# KiCad board oresat-live-card.kicad_pcb (continued)
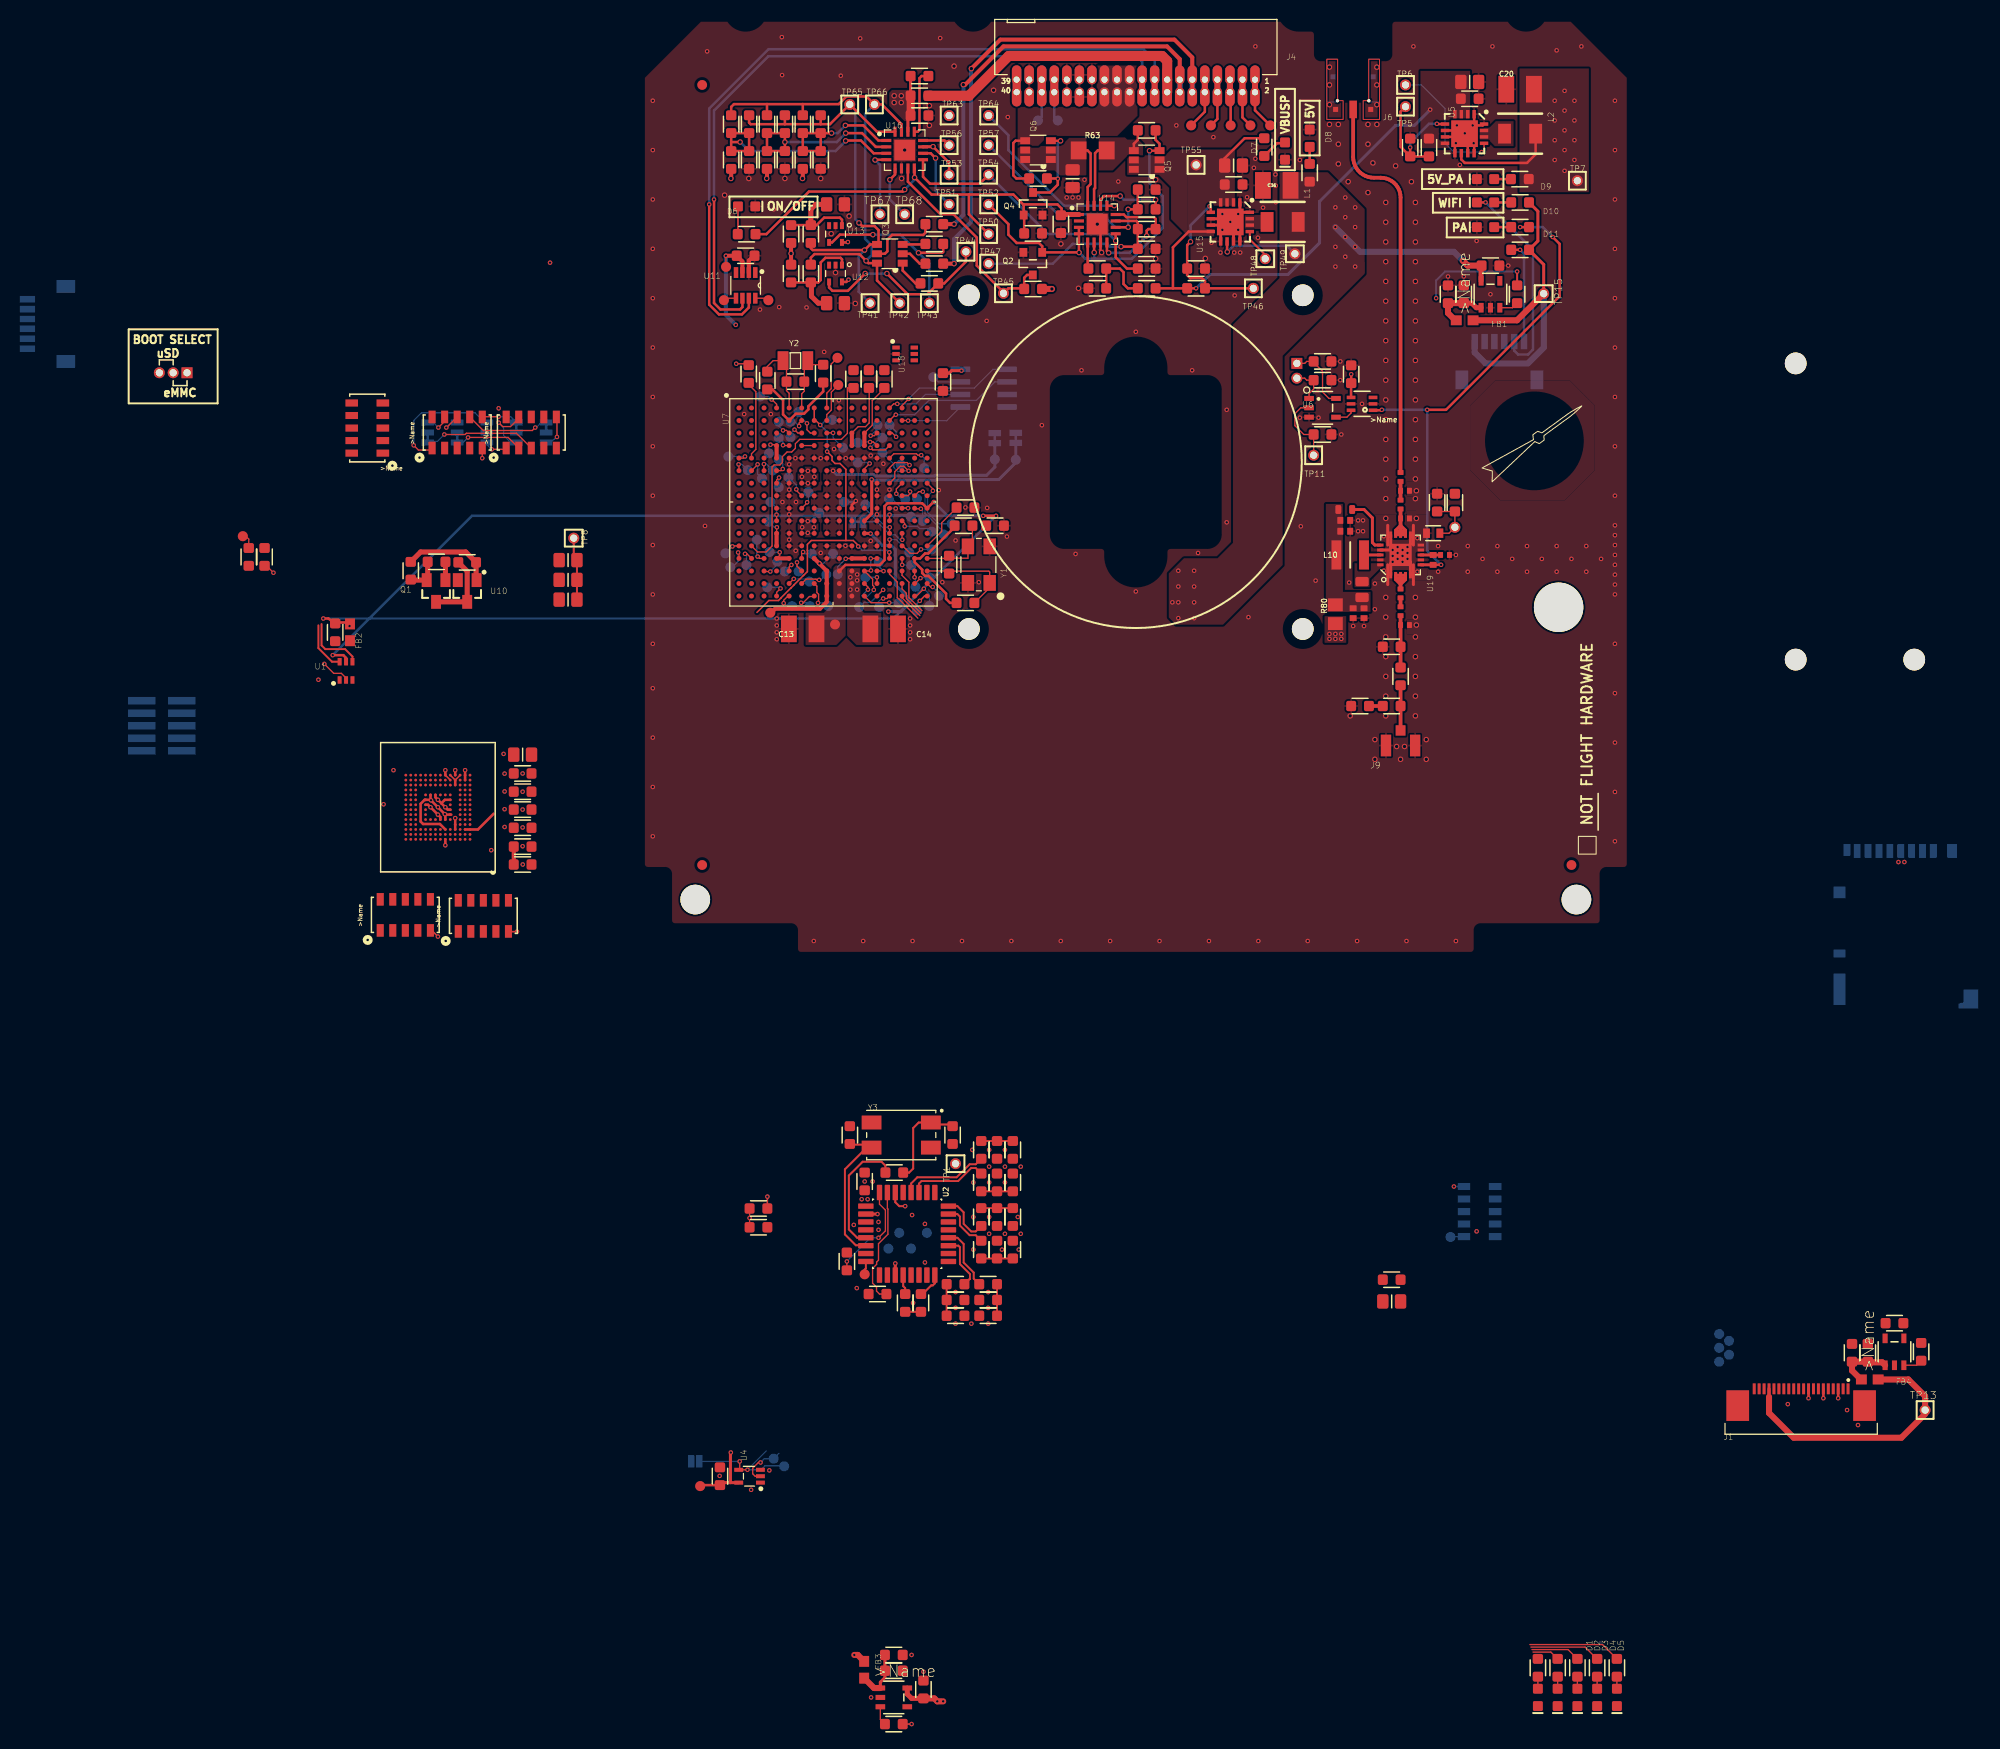
[diagram p0: board, top side]
## Placement (name value [footprint] x y rotation side) (continued)
R90  15k  [.0603-A]  35.85 -29.95 270 top
R91  22  [.0603-A]  34.25 -26.65 270 top
R92  15k  [.0603-A]  35.85 -26.65 90 top
R93  22  [.0603-A]  34.25 -23.15 90 top
R94  15k  [.0603-A]  35.85 -23.15 270 top
R95  22  [.0603-A]  34.25 -19.85 270 top
R96  15k  [.0603-A]  35.85 -19.85 90 top
R97  10k  [.0603-A]  26.55 -35.35 90 top
R98  1.5k  [.0603-A]  25.45 -22.15 0 top
R99  10k  [.0603-A]  28.15 -35.35 90 top
R100  15k  [.0603-A]  20.65 -31.15 270 top
R101  15k  [.0603-A]  23.75 -34.45 0 top
RT2  TDK NTCG163JX103DT1S  [0603-THERMISTOR-B]  80 42.6 180 top
TP1  TEST-POINT  [2MM-TEST-POINT]  31.65 -21.25 90 top
TP2  TEST-POINT3X4  [PAD.03X.04]  19.45 33.36 90 top
TP3  TEST-POINT3X4  [PAD.03X.04]  17.85 44.66 180 bottom
TP4  TEST-POINT3X4  [PAD.03X.04]  12.89 34.55 90 top
TP5  TEST-POINT  [2MM-TEST-POINT]  77.2 85.8 0 top
TP6  TEST-POINT  [2MM-TEST-POINT]  77.2 88 0 top
TP7  TEST-POINT  [2MM-TEST-POINT]  94.6 78.3 0 top
TP8  TEST-POINT  [2MM-TEST-POINT]  -7 42.1 270 top
TP9  TEST-POINT3X4  [PAD.03X.04]  20.35 45.76 180 bottom
TP10  TEST-POINT  [2MM-TEST-POINT]  82.2 43.2 180 bottom
TP11  TEST-POINT  [2MM-TEST-POINT]  67.9 50.5 0 top
TP12  TEST-POINT3X4  [PAD.03X.04]  29.25 40.96 180 bottom
TP13  TEST-POINT  [2MM-TEST-POINT]  129.8 -46.2 0 top
TP14  TEST-POINT3X4  [PAD.03X.04]  5.8 -53.9 90 top
TP15  TEST-POINT  [2MM-TEST-POINT]  91.19 66.86 270 top
TP16  TEST-POINT3X4  [PAD.03X.04]  22.45 -32.45 0 top
TP17  TEST-POINT3X4  [PAD.03X.04]  24.85 -29.85 180 bottom
TP18  TEST-POINT3X4  [PAD.03X.04]  28.75 -28.25 180 bottom
TP19  TEST-POINT3X4  [PAD.03X.04]  27.15 -29.85 180 bottom
TP20  TEST-POINT3X4  [PAD.03X.04]  25.95 -28.25 180 bottom
TP22  TEST-POINT3X4  [PAD.03X.04]  81.75 -28.68 270 bottom
TP25  TEST-POINT3X4  [PAD.03X.04]  8.42 69.57 0 top
TP30  TEST-POINT3X4  [PAD.03X.04]  11.87 56.44 180 bottom
TP31  TEST-POINT3X4  [PAD.03X.04]  -40.5 42.3 180 top
TP35  TEST-POINT3X4  [PAD.03X.04]  8.2 66.2 0 top
TP38  TEST-POINT3X4  [PAD.03X.04]  19.77 57.61 0 top
TP39  TEST-POINT3X4  [PAD.03X.04]  19.69 60.36 0 top
TP40  TEST-POINT3X4  [PAD.03X.04]  12.7 66.2 0 top
TP41  TEST-POINT  [2MM-TEST-POINT]  23 65.9 0 top
TP42  TEST-POINT  [2MM-TEST-POINT]  26 65.9 0 top
TP43  TEST-POINT  [2MM-TEST-POINT]  29 65.9 0 top
TP44  TEST-POINT  [2MM-TEST-POINT]  32.7 71.1 0 top
TP45  TEST-POINT  [2MM-TEST-POINT]  36.5 66.9 0 top
TP46  TEST-POINT  [2MM-TEST-POINT]  61.8 67.4 0 top
TP47  TEST-POINT  [2MM-TEST-POINT]  35 69.9 0 top
TP48  TEST-POINT  [2MM-TEST-POINT]  63 70.4 270 top
TP49  TEST-POINT  [2MM-TEST-POINT]  66 70.9 270 top
TP50  TEST-POINT  [2MM-TEST-POINT]  35 72.9 0 top
TP51  TEST-POINT  [2MM-TEST-POINT]  31 75.9 0 top
TP52  TEST-POINT  [2MM-TEST-POINT]  35 75.9 0 top
TP53  TEST-POINT  [2MM-TEST-POINT]  31 78.9 0 top
TP54  TEST-POINT  [2MM-TEST-POINT]  35 78.9 0 top
TP55  TEST-POINT  [2MM-TEST-POINT]  56 79.9 0 top
TP56  TEST-POINT  [2MM-TEST-POINT]  31 81.9 0 top
TP57  TEST-POINT  [2MM-TEST-POINT]  35 81.9 0 top
TP58  TEST-POINT3X4  [PAD.03X.04]  55.5 83.9 270 top
TP59  TEST-POINT3X4  [PAD.03X.04]  57.5 83.9 270 top
TP60  TEST-POINT3X4  [PAD.03X.04]  59.5 83.9 270 top
TP61  TEST-POINT3X4  [PAD.03X.04]  61.5 83.9 270 top
TP62  TEST-POINT3X4  [PAD.03X.04]  63.5 83.9 270 top
TP63  TEST-POINT  [2MM-TEST-POINT]  31 84.9 0 top
TP64  TEST-POINT  [2MM-TEST-POINT]  35 84.9 0 top
TP65  TEST-POINT  [2MM-TEST-POINT]  20.94 86.02 0 top
TP66  TEST-POINT  [2MM-TEST-POINT]  23.44 86.02 0 top
TP67  TEST-POINT  [2MM-TEST-POINT]  24 74.9 0 top
TP68  TEST-POINT  [2MM-TEST-POINT]  26.5 74.9 0 top
TP69  TEST-POINT3X4  [PAD.03X.04]  29.4 58.41 180 bottom
TP100  TEST-POINT3X4  [PAD.03X.04]  21.91 35.12 180 bottom
TP101  TEST-POINT3X4  [PAD.03X.04]  23.91 35.12 180 bottom
TP102  TEST-POINT3X4  [PAD.03X.04]  25.89 35.52 180 bottom
TP103  TEST-POINT3X4  [PAD.03X.04]  27.75 34.76 180 bottom
TP104  TEST-POINT3X4  [PAD.03X.04]  12.59 37.12 180 bottom
TP105  TEST-POINT3X4  [PAD.03X.04]  15.1 35.22 180 bottom
TP106  TEST-POINT3X4  [PAD.03X.04]  16.91 35.22 180 bottom
TP107  TEST-POINT3X4  [PAD.03X.04]  18.76 35.22 180 bottom
TP108  TEST-POINT3X4  [PAD.03X.04]  29 35.23 180 bottom
TP109  TEST-POINT3X4  [PAD.03X.04]  14.3 -51.9 180 bottom
TP110  TEST-POINT3X4  [PAD.03X.04]  13.24 -51.12 180 bottom
TP111  TEST-POINT3X4  [PAD.03X.04]  29.97 36.26 180 bottom
TP112  TEST-POINT3X4  [PAD.03X.04]  108.95 -38.5 0 bottom
TP114  TEST-POINT3X4  [PAD.03X.04]  27.59 37.17 180 bottom
TP115  TEST-POINT3X4  [PAD.03X.04]  16.84 37.7 180 bottom
TP117  TEST-POINT3X4  [PAD.03X.04]  29.03 38.11 180 bottom
TP118  TEST-POINT3X4  [PAD.03X.04]  22.53 38.14 180 bottom
TP120  TEST-POINT3X4  [PAD.03X.04]  18.56 38.42 180 bottom
TP121  TEST-POINT3X4  [PAD.03X.04]  19.72 38.45 90 bottom
TP122  TEST-POINT3X4  [PAD.03X.04]  13.6 39.73 180 bottom
TP123  TEST-POINT3X4  [PAD.03X.04]  14.34 38.73 180 bottom
TP124  TEST-POINT3X4  [PAD.03X.04]  15.76 38.73 180 bottom
TP125  TEST-POINT3X4  [PAD.03X.04]  27.17 39.36 180 bottom
TP126  TEST-POINT3X4  [PAD.03X.04]  23.88 39.67 180 bottom
TP127  TEST-POINT3X4  [PAD.03X.04]  10.49 39.37 180 bottom
TP128  TEST-POINT3X4  [PAD.03X.04]  8.85 39.16 180 bottom
TP129  TEST-POINT3X4  [PAD.03X.04]  17.09 40.51 90 bottom
TP130  TEST-POINT3X4  [PAD.03X.04]  19.25 40.51 90 bottom
TP131  TEST-POINT3X4  [PAD.03X.04]  11.53 41.94 180 bottom
TP132  TEST-POINT3X4  [PAD.03X.04]  12.81 40.7 90 bottom
TP134  TEST-POINT3X4  [PAD.03X.04]  8.35 40.56 180 bottom
TP135  TEST-POINT3X4  [PAD.03X.04]  31.26 43.56 180 bottom
TP136  TEST-POINT3X4  [PAD.03X.04]  26.96 40.66 90 bottom
TP137  TEST-POINT3X4  [PAD.03X.04]  30.46 42.47 180 bottom
TP138  TEST-POINT3X4  [PAD.03X.04]  29.25 42.76 180 bottom
TP139  TEST-POINT3X4  [PAD.03X.04]  28.31 43.84 180 bottom
TP140  TEST-POINT3X4  [PAD.03X.04]  12.75 43.76 90 bottom
TP141  TEST-POINT3X4  [PAD.03X.04]  27.12 44.26 180 bottom
TP142  TEST-POINT3X4  [PAD.03X.04]  108.95 -41.3 180 bottom
TP143  TEST-POINT3X4  [PAD.03X.04]  24.91 46.07 180 bottom
TP144  TEST-POINT3X4  [PAD.03X.04]  22.51 45.5 180 bottom
TP145  TEST-POINT3X4  [PAD.03X.04]  12.91 45.76 180 bottom
TP146  TEST-POINT3X4  [PAD.03X.04]  109.95 -40.6 180 bottom
TP148  TEST-POINT3X4  [PAD.03X.04]  26.56 46.07 180 bottom
TP149  TEST-POINT3X4  [PAD.03X.04]  27.75 46.07 180 bottom
TP150  TEST-POINT3X4  [PAD.03X.04]  16.75 46.76 180 bottom
TP151  TEST-POINT3X4  [PAD.03X.04]  109.95 -39.2 180 bottom
TP152  TEST-POINT3X4  [PAD.03X.04]  12.05 48.16 180 bottom
TP153  TEST-POINT3X4  [PAD.03X.04]  13.15 48.96 180 bottom
TP154  TEST-POINT3X4  [PAD.03X.04]  13.75 47.26 180 bottom
TP155  TEST-POINT3X4  [PAD.03X.04]  108.95 -39.9 180 bottom
TP156  TEST-POINT3X4  [PAD.03X.04]  13.75 50.06 180 bottom
TP157  TEST-POINT3X4  [PAD.03X.04]  14.75 48.26 180 bottom
TP158  TEST-POINT3X4  [PAD.03X.04]  28.47 49.2 180 bottom
TP159  TEST-POINT3X4  [PAD.03X.04]  8.65 50.36 180 bottom
TP160  TEST-POINT3X4  [PAD.03X.04]  26.09 49.54 180 bottom
TP161  TEST-POINT3X4  [PAD.03X.04]  21.75 49.76 90 bottom
TP162  TEST-POINT3X4  [PAD.03X.04]  10.61 48.99 180 bottom
TP164  TEST-POINT3X4  [PAD.03X.04]  37.75 50.04 90 bottom
TP165  TEST-POINT3X4  [PAD.03X.04]  35.62 50.07 90 bottom
TP166  TEST-POINT3X4  [PAD.03X.04]  24.25 50.76 180 bottom
TP167  TEST-POINT3X4  [PAD.03X.04]  12.77 50.69 90 bottom
TP169  TEST-POINT3X4  [PAD.03X.04]  20.25 51.26 180 bottom
TP171  TEST-POINT3X4  [PAD.03X.04]  19.16 54.07 180 bottom
TP172  TEST-POINT3X4  [PAD.03X.04]  21.75 51.76 180 bottom
TP173  TEST-POINT3X4  [PAD.03X.04]  13.75 52.26 180 bottom
TP174  TEST-POINT3X4  [PAD.03X.04]  24.25 52.26 180 bottom
TP175  TEST-POINT3X4  [PAD.03X.04]  14.94 52.32 180 bottom
TP176  TEST-POINT3X4  [PAD.03X.04]  15.75 54.86 180 bottom
TP177  TEST-POINT3X4  [PAD.03X.04]  23.75 53.54 180 bottom
TP178  TEST-POINT3X4  [PAD.03X.04]  24.97 53.54 180 bottom
TP180  TEST-POINT3X4  [PAD.03X.04]  13.75 53.89 180 bottom
TP181  TEST-POINT3X4  [PAD.03X.04]  14.94 53.89 180 bottom
TP183  TEST-POINT3X4  [PAD.03X.04]  40 84.4 180 bottom
TP184  TEST-POINT3X4  [PAD.03X.04]  42 84.4 180 bottom
U1  RCLAMP0504FB  [SC70-6]  -30.05 28.66 0 top
U2  TUSB2046IBVF  [QFP80P900X900X160-32N]  26.75 -28.35 90 top
U3  THGBMJG7C2LBAU8  [BGA-153(11.5X13)(EMMC-BA)]  -20.75 14.85 180 top
U4  SN74LVC1G07DCK  [C70(TI-DCK)]  10.8 -52.9 270 top
U5  TPS62112  [S-PVQFN-16]  83.18 83.06 270 top
U6  SN74LVC1G32QDBVRQ1  [DBV5]  68.8 55.3 0 top
U7  OSD3358-512M-BSM  [OSD335X-BGA-256]  19.25 45.76 270 top
U8  MIC94090YC6-TR  [SC-70-6_MCH]  72.8 55.7 180 top
U9  TPS2041BQDBVRQ1  [DBV5]  25.4 -75.3 0 top
U10  TLVH431  [SOT23-3]  -17.79 36.75 180 top
U11  TCAN330  [SOT23-8_TI-DCN]  10.4 67.7 180 top
U12  MIC842LYC5  [SC70-5]  19.5 68.9 180 top
U13  MIC842LYC5  [SC70-5]  19.5 72.9 180 top
U14  MAX4211FETE  [QFN65P400X400X80-17T210]  46 73.9 0 top
U15  TPS62112  [S-PVQFN-16]  59.46 74.12 270 top
U16  MAX7310ATE  [QFN65P400X400X80-17T210]  26.5 81.4 0 top
U17  25AAXX  [SOIC8]  34.5 57.29 180 bottom
U18  RCLAMP0504FB  [SC70-6]  26.55 60.76 270 top
U19  TQP9111  [QFN50P400X400X102-21N]  76.7 40.4 90 top
U20  TPS2041BQDBVRQ1  [DBV5]  85.8 66.8 90 top
U21  TPS2041BQDBVRQ1  [DBV5]  126.7 -40.3 90 top
U$1  3X1_TH_JUMPER  [3X1]  -47.55 58.85 180 top
U$2  -  [FIDUCIAL_G10]  6 88 0 top
U$3  -  [PSAS_LOGO_10X10]  90.3 52 0 top
U$4  -  [FLIGHTMARKER_NEW_BOARDS]  96.2 10.35 90 top
U$5  -  [FIDUCIAL_G10]  6 9 0 top
U$6  -  [FIDUCIAL_G10]  94 9 0 top
Y1  24MHz  [5X3.2-4SMD]  34.01 39.42 90 top
Y2  ABS07-32.768KHZ-T  [CRYSTAL_3.2X1.5]  15.44 60.07 0 top
Y3  6MHz  [ECS_ECS-060-18-20BM-JEN-TR]  26.15 -18.35 180 top

## Footprints (pads in the part's own frame, mm; a bottom-side part is the same pattern mirrored in y, then rotated)
2MM-TEST-POINT
  round 1.105 hole 0.737: 1(0,0)
2X1
  rect 1.105x1.105 hole 0.737: P$1(-0.8,0)
  round 1.105 hole 0.737: P$2(0.7,0)
3X1
  rect 1.105x1.105 hole 0.737: P$1(-1.4,0)
  round 1.105 hole 0.737: P$2(0,0) P$3(1.4,0)
5X3.2-4SMD
  rect 1.6x1.25 smd: 1(-1.85,-1.1) 2(1.85,-1.1) 3(1.85,1.1) 4(-1.85,1.1)
0603
  rect 1.1x1 smd: 1(-0.85,0) 2(0.85,0)
0603-THERMISTOR-B
  rect 0.7x0.95 smd: 1(-0.675,0) 2(0.675,0)
.0402-B-NOSILK
  rrect 0.6x0.7 smd: 1(-0.5,0) 2(0.5,0)
.0402-C-NOSILK
  rrect 0.5x0.6 smd: 1(-0.45,0) 2(0.45,0)
.0603-A
  rrect 1x1.05 smd: 1(-0.9,0) 2(0.9,0)
.0603-C-NOSILK
  rrect 0.6x0.9 smd: 1(-0.7,0) 2(0.7,0)
.0805-B
  rrect 1.15x1.45 smd: 1(-0.9,0) 2(0.9,0)
.0805-B-NOSILK
  rrect 1.15x1.45 smd: 1(-0.9,0) 2(0.9,0)
.0805-C-NOSILK
  rrect 0.95x1.35 smd: 1(-0.8,0) 2(0.8,0)
ARRAY_EXBA-M
  rect 1.27x0.711 smd: 1(-1.575,2.54) 2(-1.575,1.27) 3(-1.575,0) 4(-1.575,-1.27) 5(-1.575,-2.54) 6(1.575,-2.54) 7(1.575,-1.27) 8(1.575,0) 9(1.575,1.27) 10(1.575,2.54)
BGA-153(11.5X13)(EMMC-BA)
  rrect 0.28x0.28 smd: A1(-3.25,3.25) A2(-2.75,3.25) A3(-2.25,3.25) A4(-1.75,3.25) A5(-1.25,3.25) A6(-0.75,3.25) A7(-0.25,3.25) A8(0.25,3.25) A9(0.75,3.25) A10(1.25,3.25) A11(1.75,3.25) A12(2.25,3.25) A13(2.75,3.25) A14(3.25,3.25) B1(-3.25,2.75) B2(-2.75,2.75) B3(-2.25,2.75) B4(-1.75,2.75) B5(-1.25,2.75) B6(-0.75,2.75) B7(-0.25,2.75) B8(0.25,2.75) B9(0.75,2.75) B10(1.25,2.75) B11(1.75,2.75) B12(2.25,2.75) B13(2.75,2.75) B14(3.25,2.75) C1(-3.25,2.25) C2(-2.75,2.25) C3(-2.25,2.25) C4(-1.75,2.25) C5(-1.25,2.25) C6(-0.75,2.25) C7(-0.25,2.25) C8(0.25,2.25) C9(0.75,2.25) C10(1.25,2.25) C11(1.75,2.25) C12(2.25,2.25) C13(2.75,2.25) C14(3.25,2.25) D1(-3.25,1.75) D2(-2.75,1.75) D3(-2.25,1.75) D4(-1.75,1.75) D12(2.25,1.75) D13(2.75,1.75) D14(3.25,1.75) E1(-3.25,1.25) E2(-2.75,1.25) E3(-2.25,1.25) E5(-1.25,1.25) E6(-0.75,1.25) E7(-0.25,1.25) E8(0.25,1.25) E9(0.75,1.25) E10(1.25,1.25) E12(2.25,1.25) E13(2.75,1.25) E14(3.25,1.25) F1(-3.25,0.75) F2(-2.75,0.75) F3(-2.25,0.75) F5(-1.25,0.75) F10(1.25,0.75) F12(2.25,0.75) F13(2.75,0.75) F14(3.25,0.75) G1(-3.25,0.25) G2(-2.75,0.25) G3(-2.25,0.25) G5(-1.25,0.25) G10(1.25,0.25) G12(2.25,0.25) G13(2.75,0.25) G14(3.25,0.25) H1(-3.25,-0.25) H2(-2.75,-0.25) H3(-2.25,-0.25) H5(-1.25,-0.25) H10(1.25,-0.25) H12(2.25,-0.25) H13(2.75,-0.25) H14(3.25,-0.25) J1(-3.25,-0.75) J2(-2.75,-0.75) J3(-2.25,-0.75) J5(-1.25,-0.75) J10(1.25,-0.75) J12(2.25,-0.75) J13(2.75,-0.75) J14(3.25,-0.75) K1(-3.25,-1.25) K2(-2.75,-1.25) K3(-2.25,-1.25) K5(-1.25,-1.25) K6(-0.75,-1.25) K7(-0.25,-1.25) K8(0.25,-1.25) K9(0.75,-1.25) K10(1.25,-1.25) K12(2.25,-1.25) K13(2.75,-1.25) K14(3.25,-1.25) L1(-3.25,-1.75) L2(-2.75,-1.75) L3(-2.25,-1.75) L12(2.25,-1.75) L13(2.75,-1.75) L14(3.25,-1.75) M1(-3.25,-2.25) M2(-2.75,-2.25) M3(-2.25,-2.25) M4(-1.75,-2.25) M5(-1.25,-2.25) M6(-0.75,-2.25) M7(-0.25,-2.25) M8(0.25,-2.25) M9(0.75,-2.25) M10(1.25,-2.25) M11(1.75,-2.25) M12(2.25,-2.25) M13(2.75,-2.25) M14(3.25,-2.25) N1(-3.25,-2.75) N2(-2.75,-2.75) N3(-2.25,-2.75) N4(-1.75,-2.75) N5(-1.25,-2.75) N6(-0.75,-2.75) N7(-0.25,-2.75) N8(0.25,-2.75) N9(0.75,-2.75) N10(1.25,-2.75) N11(1.75,-2.75) N12(2.25,-2.75) N13(2.75,-2.75) N14(3.25,-2.75) P1(-3.25,-3.25) P2(-2.75,-3.25) P3(-2.25,-3.25) P4(-1.75,-3.25) P5(-1.25,-3.25) P6(-0.75,-3.25) P7(-0.25,-3.25) P8(0.25,-3.25) P9(0.75,-3.25) P10(1.25,-3.25) P11(1.75,-3.25) P12(2.25,-3.25) P13(2.75,-3.25) P14(3.25,-3.25)
C70(TI-DCK)
  rect 0.4x0.9 smd: 1(0.65,1.1) 2(0,1.1) 3(-0.65,1.1) 4(-0.65,-1.1) 5(0.65,-1.1)
C1210
  rect 1.6x2.7 smd: 1(-1.4,0) 2(1.4,0)
CON10_2X5_DUK_FTSH
  rect 0.762x2.794 smd: 1(-2.54,-2.032) 2(-2.54,2.032) 3(-1.27,-2.032) 4(-1.27,2.032) 5(0,-2.032) 6(0,2.032) 7(1.27,-2.032) 8(1.27,2.032) 9(2.54,-2.032) 10(2.54,2.032)
CONN_SM06B-SRSS-TB_JST
  rect 0.66x1.549 smd: 1(-2.5,2.507) 2(-1.5,2.507) 3(-0.5,2.507) 4(0.5,2.507) 5(1.5,2.507) 6(2.5,2.507)
  rect 1.295x1.905 smd: 7(-3.8,-1.368) 8(3.8,-1.368)
CRYSTAL_3.2X1.5
  rect 1.1x1.9 smd: P$1(-1.25,0) P$2(1.25,0)
DBV5
  rect 0.972x0.508 smd: 1(-1.362,0.95) 2(-1.362,0) 3(-1.362,-0.95) 4(1.362,-0.95) 5(1.362,0.95)
DM3BT-DSF-PEJS
  rect 0.7x1.4 smd: 1(-3.2,15.95) 2(-2.1,15.95) 3(-1,15.95) 4(0.1,15.95) 5(1.2,15.95) 6(2.3,15.95) 7(3.4,15.95) 8(4.5,15.95)
  rect 0.7x1.2 smd: CD(5.55,16.05)
  rect 0.5x0.5 smd: CGND1(-6,0.25)
  rect 1.5x1.9 smd: CGND2(-7,0.95)
  rect 0.21x0.21 smd rot 135: CGND3(-6.25,0.5)
  rect 1x1.4 smd: CGND4(-5.1,15.95)
  rect 1.2x1.2 smd: CGND5(6.3,11.75)
  rect 1.2x3.2 smd: CGND6(6.3,1.95)
  rect 1.2x0.8 smd: GND(6.3,5.55)
ECS-MPI4040
  rect 2x1.3 smd: 1(0,1.575) 2(0,-1.575)
ECS_ECS-060-18-20BM-JEN-TR
  rect 2x1.4 smd: 1(-3,-1.27) 2(3,-1.27) 3(3,1.27) 4(-3,1.27)
INDC2928X203N
  rect 1x2.95 smd: 1(-1.4,0) 2(1.4,0)
J-MOLEX-SMPM-073300-003X
  rect 0.508x0.508 smd: P$1(-1.778,-5.08) P$2(1.778,-5.08)
  rect 0.508x0.508 smd far side: P$3(-2.032,-1.778) P$4(2.032,-1.778)
  rect 0.762x1.778 smd: RF(0,-5.08)
J-SAMTEC-TFM-120-X1-XXX-D-RA
  oval 0.965x1.93 hole 0.635: 1(12.065,0.635) 2(12.065,-0.635) 3(10.795,0.635) 4(10.795,-0.635) 5(9.525,0.635) 6(9.525,-0.635) 7(8.255,0.635) 8(8.255,-0.635) 9(6.985,0.635) 10(6.985,-0.635) 11(5.715,0.635) 12(5.715,-0.635) 13(4.445,0.635) 14(4.445,-0.635) 15(3.175,0.635) 16(3.175,-0.635) 17(1.905,0.635) 18(1.905,-0.635) 19(0.635,0.635) 20(0.635,-0.635) 21(-0.635,0.635) 22(-0.635,-0.635) 23(-1.905,0.635) 24(-1.905,-0.635) 25(-3.175,0.635) 26(-3.175,-0.635) 27(-4.445,0.635) 28(-4.445,-0.635) 29(-5.715,0.635) 30(-5.715,-0.635) 31(-6.985,0.635) 32(-6.985,-0.635) 33(-8.255,0.635) 34(-8.255,-0.635) 35(-9.525,0.635) 36(-9.525,-0.635) 37(-10.795,0.635) 38(-10.795,-0.635) 39(-12.065,0.635) 40(-12.065,-0.635)
LED-0603
  rrect 1x1 smd: A(-0.877,0) C(0.877,0)
ORESAT-CARD-V1.3-GENERIC-1RF-POS1
  round 3 hole 3 unplated: (5.3,5.5) (94.5,5.5)
  round 0.32 hole 0.32 unplated: (70.31,86.4) (73.49,86.4)
OSD335X-BGA-256
  rrect 0.5x0.5 smd: A1(-9.525,-9.525) A2(-9.525,-8.255) A3(-9.525,-6.985) A4(-9.525,-5.715) A5(-9.525,-4.445) A6(-9.525,-3.175) A7(-9.525,-1.905) A8(-9.525,-0.635) A9(-9.525,0.635) A10(-9.525,1.905) A11(-9.525,3.175) A12(-9.525,4.445) A13(-9.525,5.715) A14(-9.525,6.985) A15(-9.525,8.255) A16(-9.525,9.525) B1(-8.255,-9.525) B2(-8.255,-8.255) B3(-8.255,-6.985) B4(-8.255,-5.715) B5(-8.255,-4.445) B6(-8.255,-3.175) B7(-8.255,-1.905) B8(-8.255,-0.635) B9(-8.255,0.635) B10(-8.255,1.905) B11(-8.255,3.175) B12(-8.255,4.445) B13(-8.255,5.715) B14(-8.255,6.985) B15(-8.255,8.255) B16(-8.255,9.525) C1(-6.985,-9.525) C2(-6.985,-8.255) C3(-6.985,-6.985) C4(-6.985,-5.715) C5(-6.985,-4.445) C6(-6.985,-3.175) C7(-6.985,-1.905) C8(-6.985,-0.635) C9(-6.985,0.635) C10(-6.985,1.905) C11(-6.985,3.175) C12(-6.985,4.445) C13(-6.985,5.715) C14(-6.985,6.985) C15(-6.985,8.255) C16(-6.985,9.525) D1(-5.715,-9.525) D2(-5.715,-8.255) D3(-5.715,-6.985) D4(-5.715,-5.715) D5(-5.715,-4.445) D6(-5.715,-3.175) D7(-5.715,-1.905) D8(-5.715,-0.635) D9(-5.715,0.635) D10(-5.715,1.905) D11(-5.715,3.175) D12(-5.715,4.445) D13(-5.715,5.715) D14(-5.715,6.985) D15(-5.715,8.255) D16(-5.715,9.525) E1(-4.445,-9.525) E2(-4.445,-8.255) E3(-4.445,-6.985) E4(-4.445,-5.715) E5(-4.445,-4.445) E6(-4.445,-3.175) E7(-4.445,-1.905) E8(-4.445,-0.635) E9(-4.445,0.635) E10(-4.445,1.905) E11(-4.445,3.175) E12(-4.445,4.445) E13(-4.445,5.715) E14(-4.445,6.985) E15(-4.445,8.255) E16(-4.445,9.525) F1(-3.175,-9.525) F2(-3.175,-8.255) F3(-3.175,-6.985) F4(-3.175,-5.715) F5(-3.175,-4.445) F6(-3.175,-3.175) F7(-3.175,-1.905) F8(-3.175,-0.635) F9(-3.175,0.635) F10(-3.175,1.905) F11(-3.175,3.175) F12(-3.175,4.445) F13(-3.175,5.715) F14(-3.175,6.985) F15(-3.175,8.255) F16(-3.175,9.525) G1(-1.905,-9.525) G2(-1.905,-8.255) G3(-1.905,-6.985) G4(-1.905,-5.715) G5(-1.905,-4.445) G6(-1.905,-3.175) G7(-1.905,-1.905) G8(-1.905,-0.635) G9(-1.905,0.635) G10(-1.905,1.905) G11(-1.905,3.175) G12(-1.905,4.445) G13(-1.905,5.715) G14(-1.905,6.985) G15(-1.905,8.255) G16(-1.905,9.525) H1(-0.635,-9.525) H2(-0.635,-8.255) H3(-0.635,-6.985) H4(-0.635,-5.715) H5(-0.635,-4.445) H6(-0.635,-3.175) H7(-0.635,-1.905) H8(-0.635,-0.635) H9(-0.635,0.635) H10(-0.635,1.905) H11(-0.635,3.175) H12(-0.635,4.445) H13(-0.635,5.715) H14(-0.635,6.985) H15(-0.635,8.255) H16(-0.635,9.525) J1(0.635,-9.525) J2(0.635,-8.255) J3(0.635,-6.985) J4(0.635,-5.715) J5(0.635,-4.445) J6(0.635,-3.175) J7(0.635,-1.905) J8(0.635,-0.635) J9(0.635,0.635) J10(0.635,1.905) J11(0.635,3.175) J12(0.635,4.445) J13(0.635,5.715) J14(0.635,6.985) J15(0.635,8.255) J16(0.635,9.525) K1(1.905,-9.525) K2(1.905,-8.255) K3(1.905,-6.985) K4(1.905,-5.715) K5(1.905,-4.445) K6(1.905,-3.175) K7(1.905,-1.905) K8(1.905,-0.635) K9(1.905,0.635) K10(1.905,1.905) K11(1.905,3.175) K12(1.905,4.445) K13(1.905,5.715) K14(1.905,6.985) K15(1.905,8.255) K16(1.905,9.525) L1(3.175,-9.525) L2(3.175,-8.255) L3(3.175,-6.985) L4(3.175,-5.715) L5(3.175,-4.445) L6(3.175,-3.175) L7(3.175,-1.905) L8(3.175,-0.635) L9(3.175,0.635) L10(3.175,1.905) L11(3.175,3.175) L12(3.175,4.445) L13(3.175,5.715) L14(3.175,6.985) L15(3.175,8.255) L16(3.175,9.525) M1(4.445,-9.525) M2(4.445,-8.255) M3(4.445,-6.985) M4(4.445,-5.715) M5(4.445,-4.445) M6(4.445,-3.175) M7(4.445,-1.905) M8(4.445,-0.635) M9(4.445,0.635) M10(4.445,1.905) M11(4.445,3.175) M12(4.445,4.445) M13(4.445,5.715) M14(4.445,6.985) M15(4.445,8.255) M16(4.445,9.525) N1(5.715,-9.525) N2(5.715,-8.255) N3(5.715,-6.985) N4(5.715,-5.715) N5(5.715,-4.445) N6(5.715,-3.175) N7(5.715,-1.905) N8(5.715,-0.635) N9(5.715,0.635) N10(5.715,1.905) N11(5.715,3.175) N12(5.715,4.445) N13(5.715,5.715) N14(5.715,6.985) N15(5.715,8.255) N16(5.715,9.525) P1(6.985,-9.525) P2(6.985,-8.255) P3(6.985,-6.985) P4(6.985,-5.715) P5(6.985,-4.445) P6(6.985,-3.175) P7(6.985,-1.905) P8(6.985,-0.635) P9(6.985,0.635) P10(6.985,1.905) P11(6.985,3.175) P12(6.985,4.445) P13(6.985,5.715) P14(6.985,6.985) P15(6.985,8.255) P16(6.985,9.525) R1(8.255,-9.525) R2(8.255,-8.255) R3(8.255,-6.985) R4(8.255,-5.715) R5(8.255,-4.445) R6(8.255,-3.175) R7(8.255,-1.905) R8(8.255,-0.635) R9(8.255,0.635) R10(8.255,1.905) R11(8.255,3.175) R12(8.255,4.445) R13(8.255,5.715) R14(8.255,6.985) R15(8.255,8.255) R16(8.255,9.525) T1(9.525,-9.525) T2(9.525,-8.255) T3(9.525,-6.985) T4(9.525,-5.715) T5(9.525,-4.445) T6(9.525,-3.175) T7(9.525,-1.905) T8(9.525,-0.635) T9(9.525,0.635) T10(9.525,1.905) T11(9.525,3.175) T12(9.525,4.445) T13(9.525,5.715) T14(9.525,6.985) T15(9.525,8.255) T16(9.525,9.525)
PAD.03X.04
  rrect 1.016x1.016 smd: 1(0,0)
QFN50P400X400X102-21N
  rect 0.65x0.3 smd: 1(-2.05,1) 2(-2.05,0.5) 3(-2.05,0) 4(-2.05,-0.5) 5(-2.05,-1) 11(2.05,-1) 12(2.05,-0.5) 13(2.05,0) 14(2.05,0.5) 15(2.05,1)
  rect 0.3x0.65 smd: 6(-1,-2.05) 7(-0.5,-2.05) 8(0,-2.05) 9(0.5,-2.05) 10(1,-2.05) 16(1,2.05) 17(0.5,2.05) 18(0,2.05) 19(-0.5,2.05) 20(-1,2.05)
  rect 2.25x2.25 smd: 21(0,0)
QFN65P400X400X80-17T210
  rect 1.01x0.32 smd: 1(-1.86,0.975) 2(-1.86,0.325) 3(-1.86,-0.325) 4(-1.86,-0.975) 9(1.86,-0.975) 10(1.86,-0.325) 11(1.86,0.325) 12(1.86,0.975)
  rect 0.32x1.01 smd: 5(-0.975,-1.86) 6(-0.325,-1.86) 7(0.325,-1.86) 8(0.975,-1.86) 13(0.975,1.86) 14(0.325,1.86) 15(-0.325,1.86) 16(-0.975,1.86)
  rect 2.1x2.1 smd: EPAD(0,0)
QFP80P900X900X160-32N
  rrect 1.56x0.54 smd: 1(-4.18,2.8) 2(-4.18,2) 3(-4.18,1.2) 4(-4.18,0.4) 5(-4.18,-0.4) 6(-4.18,-1.2) 7(-4.18,-2) 8(-4.18,-2.8) 17(4.18,-2.8) 18(4.18,-2) 19(4.18,-1.2) 20(4.18,-0.4) 21(4.18,0.4) 22(4.18,1.2) 23(4.18,2) 24(4.18,2.8)
  rrect 0.54x1.56 smd: 9(-2.8,-4.18) 10(-2,-4.18) 11(-1.2,-4.18) 12(-0.4,-4.18) 13(0.4,-4.18) 14(1.2,-4.18) 15(2,-4.18) 16(2.8,-4.18) 25(2.8,4.18) 26(2,4.18) 27(1.2,4.18) 28(0.4,4.18) 29(-0.4,4.18) 30(-1.2,4.18) 31(-2,4.18) 32(-2.8,4.18)
R0805
  rect 1.3x1.5 smd: 1(-0.95,0) 2(0.95,0)
R1206
  rect 1.6x1.803 smd: 1(-1.422,0) 2(1.422,0)
S-PVQFN-16
  rect 0.85x0.35 smd: 1(-1.975,0.975) 2(-1.975,0.325) 3(-1.975,-0.325) 4(-1.975,-0.975) 9(1.975,-0.975) 10(1.975,-0.325) 11(1.975,0.325) 12(1.975,0.975)
  rect 0.35x0.85 smd: 5(-0.975,-1.975) 6(-0.325,-1.975) 7(0.325,-1.975) 8(0.975,-1.975) 13(0.975,1.975) 14(0.325,1.975) 15(-0.325,1.975) 16(-0.975,1.975)
  rect 2.7x2.7 smd: PAD(0,0)
SC70-5
  rect 0.4x0.7 smd: 1(-0.65,-0.85) 2(0,-0.85) 3(0.65,-0.85) 4(0.65,0.85) 5(-0.65,0.85)
SC70-6
  rect 0.4x0.75 smd: 1(-0.65,-0.925) 2(0,-0.925) 3(0.65,-0.925) 4(0.65,0.925) 5(0,0.925) 6(-0.65,0.925)
SC-70-6_MCH
  rect 0.876x0.356 smd: 1(-1.111,0.65) 2(-1.111,0) 3(-1.111,-0.65) 4(1.111,-0.65) 5(1.111,0) 6(1.111,0.65)